# KiCad board r1_panel.kicad_pcb (continued)
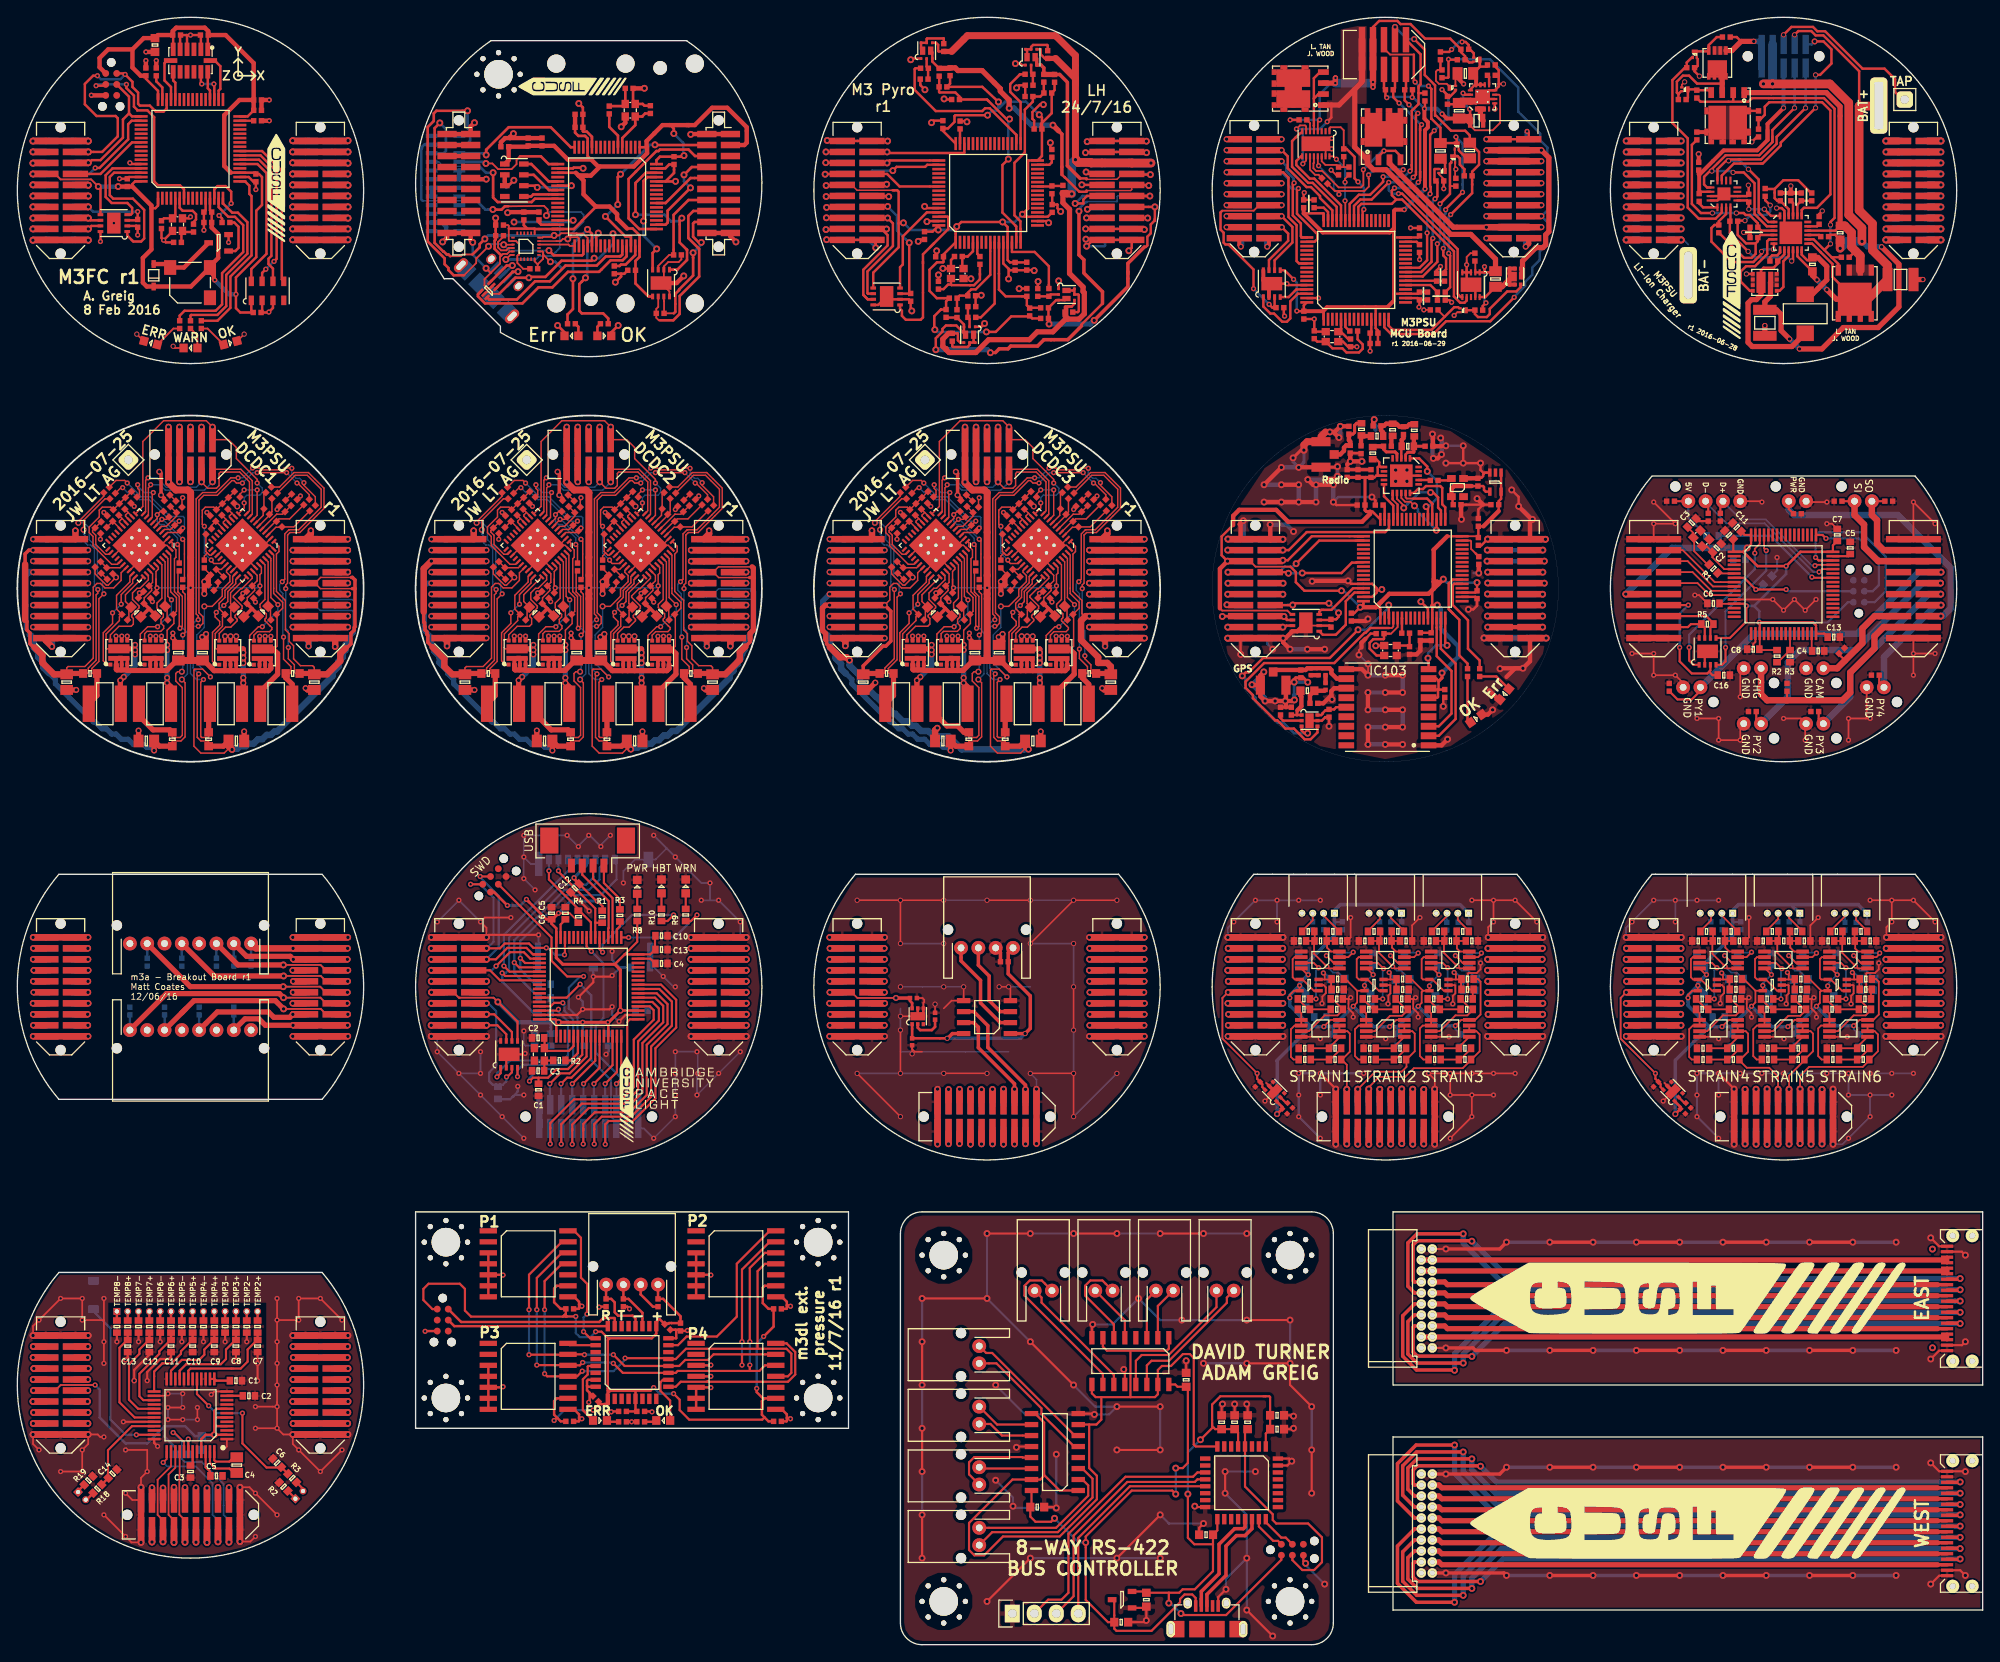
[diagram p0: board, top side]
## Footprints (pads in the part's own frame, mm; a bottom-side part is the same pattern mirrored in y, then rotated) (continued)
PowerPAK-SO-8
  rect 3.81x3.91 smd: D(0.69,0)
  rect 1.27x0.61 smd: D(2.67,1.905) D(2.67,0.635) D(2.67,-0.635) D(2.67,-1.905) G(-2.67,-1.905) S(-2.67,1.905) S(-2.67,0.635) S(-2.67,-0.635)
QFN-16-EP-NXP
  rect 0.9x0.24 smd: 1(-1.55,0.75) 2(-1.55,0.25) 3(-1.55,-0.25) 4(-1.55,-0.75) 9(1.55,-0.75) 10(1.55,-0.25) 11(1.55,0.25) 12(1.55,0.75)
  rect 0.24x0.9 smd: 5(-0.75,-1.55) 6(-0.25,-1.55) 7(0.25,-1.55) 8(0.75,-1.55) 13(0.75,1.55) 14(0.25,1.55) 15(-0.25,1.55) 16(-0.75,1.55)
  rect 0.3x0.3 smd: EP(-0.305,0.305) EP(-0.305,-0.305) EP(0.305,0.305) EP(0.305,-0.305)
  rect 1.5x1.5 smd: EP(0,0)
QFN-16-EP-TI
  rect 0.6x0.25 smd: 1(-1.4,0.75) 2(-1.4,0.25) 3(-1.4,-0.25) 4(-1.4,-0.75) 9(1.4,-0.75) 10(1.4,-0.25) 11(1.4,0.25) 12(1.4,0.75)
  rect 0.25x0.6 smd: 5(-0.75,-1.4) 6(-0.25,-1.4) 7(0.25,-1.4) 8(0.75,-1.4) 13(0.75,1.4) 14(0.25,1.4) 15(-0.25,1.4) 16(-0.75,1.4)
  round 0.3 hole 0.2: EP(-0.6,0.6) EP(-0.6,-0.6) EP(0.6,0.6) EP(0.6,-0.6)
  rect 1.5x1.5 smd: EP(0,0)
  rect 1.7x1.7 smd: EP(0,0)
QFN-20-EP-SI
  rect 0.75x0.3 smd: 1(-2,1) 2(-2,0.5) 3(-2,0) 4(-2,-0.5) 5(-2,-1) 11(2,-1) 12(2,-0.5) 13(2,0) 14(2,0.5) 15(2,1)
  rect 0.3x0.75 smd: 6(-1,-2) 7(-0.5,-2) 8(0,-2) 9(0.5,-2) 10(1,-2) 16(1,2) 17(0.5,2) 18(0,2) 19(-0.5,2) 20(-1,2)
  rect 1.1x1.1 smd: EP(-0.65,0.65) EP(-0.65,-0.65) EP(0.65,0.65) EP(0.65,-0.65)
  rect 2.6x2.6 smd: EP(0,0)
QFN-24-EP-MAX
  rect 0.8x0.3 smd: 1(-1.955,1.25) 2(-1.955,0.75) 3(-1.955,0.25) 4(-1.955,-0.25) 5(-1.955,-0.75) 6(-1.955,-1.25) 13(1.955,-1.25) 14(1.955,-0.75) 15(1.955,-0.25) 16(1.955,0.25) 17(1.955,0.75) 18(1.955,1.25)
  rect 0.3x0.8 smd: 7(-1.25,-1.955) 8(-0.75,-1.955) 9(-0.25,-1.955) 10(0.25,-1.955) 11(0.75,-1.955) 12(1.25,-1.955) 19(1.25,1.955) 20(0.75,1.955) 21(0.25,1.955) 22(-0.25,1.955) 23(-0.75,1.955) 24(-1.25,1.955)
  rect 0.9x0.9 smd: EP(-0.65,0.65) EP(-0.65,0.65) EP(-0.65,-0.65) EP(-0.65,-0.65) EP(0.65,0.65) EP(0.65,0.65) EP(0.65,-0.65) EP(0.65,-0.65)
  rect 2.6x2.6 smd: EP(0,0)
QFN-24-MPU9250
  rect 0.4x0.2 smd: 1(-1.5,1) 2(-1.5,0.6) 3(-1.5,0.2) 4(-1.5,-0.2) 5(-1.5,-0.6) 6(-1.5,-1) 13(1.5,-1) 14(1.5,-0.6) 15(1.5,-0.2) 16(1.5,0.2) 17(1.5,0.6) 18(1.5,1)
  rect 0.2x0.4 smd: 7(-1,-1.5) 8(-0.6,-1.5) 9(-0.2,-1.5) 10(0.2,-1.5) 11(0.6,-1.5) 12(1,-1.5) 19(1,1.5) 20(0.6,1.5) 21(0.2,1.5) 22(-0.2,1.5) 23(-0.6,1.5) 24(-1,1.5)
QFN-40-EP-LTC-UJ
  rect 0.73x0.73 smd: (-1.845,1.845) (-1.845,1.845) (-1.845,0.615) (-1.845,0.615) (-1.845,-0.615) (-1.845,-0.615) (-1.845,-1.845) (-1.845,-1.845) (-0.615,1.845) (-0.615,1.845) (-0.615,0.615) (-0.615,0.615) (-0.615,-0.615) (-0.615,-0.615) (-0.615,-1.845) (-0.615,-1.845) (0.615,1.845) (0.615,1.845) (0.615,0.615) (0.615,0.615) (0.615,-0.615) (0.615,-0.615) (0.615,-1.845) (0.615,-1.845) (1.845,1.845) (1.845,1.845) (1.845,0.615) (1.845,0.615) (1.845,-0.615) (1.845,-0.615) (1.845,-1.845) (1.845,-1.845)
  rect 0.7x0.25 smd: 1(-2.9,2.25) 2(-2.9,1.75) 3(-2.9,1.25) 4(-2.9,0.75) 5(-2.9,0.25) 6(-2.9,-0.25) 7(-2.9,-0.75) 8(-2.9,-1.25) 9(-2.9,-1.75) 10(-2.9,-2.25) 21(2.9,-2.25) 22(2.9,-1.75) 23(2.9,-1.25) 24(2.9,-0.75) 25(2.9,-0.25) 26(2.9,0.25) 27(2.9,0.75) 28(2.9,1.25) 29(2.9,1.75) 30(2.9,2.25)
  rect 0.25x0.7 smd: 11(-2.25,-2.9) 12(-1.75,-2.9) 13(-1.25,-2.9) 14(-0.75,-2.9) 15(-0.25,-2.9) 16(0.25,-2.9) 17(0.75,-2.9) 18(1.25,-2.9) 19(1.75,-2.9) 20(2.25,-2.9) 31(2.25,2.9) 32(1.75,2.9) 33(1.25,2.9) 34(0.75,2.9) 35(0.25,2.9) 36(-0.25,2.9) 37(-0.75,2.9) 38(-1.25,2.9) 39(-1.75,2.9) 40(-2.25,2.9)
  round 0.8 hole 0.4: EP(-1.23,1.23) EP(-1.23,0) EP(-1.23,-1.23) EP(0,1.23) EP(0,0) EP(0,-1.23) EP(1.23,1.23) EP(1.23,0) EP(1.23,-1.23)
  rect 4.42x4.42 smd: EP(0,0)
S02B-PASK-2
  round 1.2 hole 1.2 unplated: (-2.5,2.1) (2.5,2.1)
  round 1.6 hole 0.8: 1(1,0) 2(-1,0)
S04B-PASK-2
  round 1.2 hole 1.2 unplated: (-4.5,2.1) (4.5,2.1)
  round 1.6 hole 0.8: 1(3,0) 2(1,0) 3(-1,0) 4(-3,0)
S08B-PASK-2
  round 1.2 hole 1.2 unplated: (-8.5,2.1) (8.5,2.1)
  round 1.6 hole 0.8: 1(7,0) 2(5,0) 3(3,0) 4(1,0) 5(-1,0) 6(-3,0) 7(-5,0) 8(-7,0)
SC-70-5
  rect 0.95x0.4 smd: 1(-1.1,0.65) 2(-1.1,0) 3(-1.1,-0.65) 4(1.1,-0.65) 5(1.1,0.65)
SFM-110-02-L-DH
  round 1.5 hole 0.71: (-7.239,-0.91) (-7.239,-3.16) (7.239,-0.91) (7.239,-3.16)
  rect 0.38x1.4 smd: 1(-6.032,-3.81) 2(-5.397,-3.81) 3(-4.763,-3.81) 4(-4.128,-3.81) 5(-3.493,-3.81) 6(-2.857,-3.81) 7(-2.223,-3.81) 8(-1.587,-3.81) 9(-0.953,-3.81) 10(-0.318,-3.81) 11(0.318,-3.81) 12(0.953,-3.81) 13(1.587,-3.81) 14(2.223,-3.81) 15(2.857,-3.81) 16(3.493,-3.81) 17(4.128,-3.81) 18(4.763,-3.81) 19(5.397,-3.81) 20(6.032,-3.81)
SFML-105-02-L-D-LC
  round 1.2 hole 1.2 unplated: (-4.13,0) (4.13,0)
  rect 0.74x2.22 smd: 1(-2.54,1.365) 2(-2.54,-1.365) 3(-1.27,1.365) 4(-1.27,-1.365) 5(0,1.365) 6(0,-1.365) 7(1.27,1.365) 8(1.27,-1.365) 9(2.54,1.365) 10(2.54,-1.365)
SFML-110-02-L-D-LC
  round 1.2 hole 1.2 unplated: (-7.305,0) (7.305,0)
  rect 0.74x2.22 smd: 1(-5.715,1.365) 2(-5.715,-1.365) 3(-4.445,1.365) 4(-4.445,-1.365) 5(-3.175,1.365) 6(-3.175,-1.365) 7(-1.905,1.365) 8(-1.905,-1.365) 9(-0.635,1.365) 10(-0.635,-1.365) 11(0.635,1.365) 12(0.635,-1.365) 13(1.905,1.365) 14(1.905,-1.365) 15(3.175,1.365) 16(3.175,-1.365) 17(4.445,1.365) 18(4.445,-1.365) 19(5.715,1.365) 20(5.715,-1.365)
SIL-254P-01
  rrect 1.9x1.9 hole 1: 1(0,0)
SIL-254P-01#2
  rrect 2x6.5 hole 1x5.5: 1(0,0)
SOD-123
  rect 0.91x1.22 smd: 1(-1.635,0) 2(1.635,0)
SOD-323
  rect 0.9x0.5 smd: 1(-1.3,0) 2(1.3,0)
SOIC-8
  rect 1.55x0.6 smd: 1(-2.7,1.905) 2(-2.7,0.635) 3(-2.7,-0.635) 4(-2.7,-1.905) 5(2.7,-1.905) 6(2.7,-0.635) 7(2.7,0.635) 8(2.7,1.905)
SOIC-16
  rect 1.55x0.6 smd: 1(-2.7,4.445) 2(-2.7,3.175) 3(-2.7,1.905) 4(-2.7,0.635) 5(-2.7,-0.635) 6(-2.7,-1.905) 7(-2.7,-3.175) 8(-2.7,-4.445) 9(2.7,-4.445) 10(2.7,-3.175) 11(2.7,-1.905) 12(2.7,-0.635) 13(2.7,0.635) 14(2.7,1.905) 15(2.7,3.175) 16(2.7,4.445)
SON2x2
  rect 0.4x0.455 smd: D(0.65,0.922) G(0.65,-0.922) S(-0.65,0.922) S(-0.65,-0.922) S(0,0.922) S(0,-0.922)
  rect 0.4x0.85 smd: D(0.65,0.096)
  rect 1.05x1.1 smd: S(-0.325,0)
SOT-23
  rect 1x0.6 smd: 1(-1.15,0.95) 2(-1.15,-0.95) 3(1.15,0)
SOT-666
  rect 0.71x0.3 smd: 1(-0.72,0.5) 2(-0.72,0) 3(-0.72,-0.5) 4(0.72,-0.5) 5(0.72,0) 6(0.72,0.5)
SOT-883-B
  rect 0.7x0.4 smd: D(0,0.35)
  rect 0.25x0.4 smd: G(-0.225,-0.35) S(0.225,-0.35)
SP100
  rect 2x0.6 smd: 1(-4.6,3.81) 2(-4.6,2.54) 3(-4.6,1.27) 4(-4.6,0) 5(-4.6,-1.27) 6(-4.6,-2.54) 7(-4.6,-3.81) 8(4.6,-3.81) 9(4.6,-2.54) 10(4.6,-1.27) 11(4.6,0) 12(4.6,1.27) 13(4.6,2.54) 14(4.6,3.81)
SRP5030T
  rect 1.8x2 smd: 1(-2.25,0) 2(2.25,0)
TC2030-NL
  round 1 hole 1 unplated: (-2.54,-0.005) (2.54,1.011) (2.54,-1.021)
  round 0.787 smd: 1(-1.27,-0.64) 2(-1.27,0.63) 3(0,-0.64) 4(0,0.63) 5(1.27,-0.64) 6(1.27,0.63)
TFML-105-02-L-D
  rect 0.74x2.92 smd: 1(-2.54,-1.715) 2(-2.54,1.715) 3(-1.27,-1.715) 4(-1.27,1.715) 5(0,-1.715) 6(0,1.715) 7(1.27,-1.715) 8(1.27,1.715) 9(2.54,-1.715) 10(2.54,1.715)
TFML-110-01-L-D-RA
  round 1.1 hole 0.635: 1(-5.715,2.159) 2(-5.715,3.429) 3(-4.445,2.159) 4(-4.445,3.429) 5(-3.175,2.159) 6(-3.175,3.429) 7(-1.905,2.159) 8(-1.905,3.429) 9(-0.635,2.159) 10(-0.635,3.429) 11(0.635,2.159) 12(0.635,3.429) 13(1.905,2.159) 14(1.905,3.429) 15(3.175,2.159) 16(3.175,3.429) 17(4.445,2.159) 18(4.445,3.429) 19(5.715,2.159) 20(5.715,3.429)
TFML-110-02-L-D
  rect 0.74x2.92 smd: 1(-5.715,-1.715) 2(-5.715,1.715) 3(-4.445,-1.715) 4(-4.445,1.715) 5(-3.175,-1.715) 6(-3.175,1.715) 7(-1.905,-1.715) 8(-1.905,1.715) 9(-0.635,-1.715) 10(-0.635,1.715) 11(0.635,-1.715) 12(0.635,1.715) 13(1.905,-1.715) 14(1.905,1.715) 15(3.175,-1.715) 16(3.175,1.715) 17(4.445,-1.715) 18(4.445,1.715) 19(5.715,-1.715) 20(5.715,1.715)
TG-5006CG
  rect 1x0.8 smd: 1(-0.7,1.05) 2(-0.7,-1.05) 3(0.7,-1.05) 4(0.7,1.05)
TYS5040
  rect 1.4x4.2 smd: 1(-1.85,0) 2(1.85,0)
U.FL-R-SMT-1
  rect 1x1.05 smd: 1(0,-1.525)
  rect 1.05x2.2 smd: 2(-1.475,0) 2(1.475,0)
VLS201610HBX-1
  rect 0.5x1.6 smd: 1(-0.75,0) 2(0.75,0)
XTAL-20x16
  rect 0.85x0.95 smd: 1(-0.575,0.725) 2(-0.575,-0.725) 3(0.575,-0.725) 4(0.575,0.725)

## Nets
1v8: C4#11.1 C8#13.2 U1.4 Y201.4
3v3: C1#15.1 C2.2 C2#16.1 C2#17.1 C3.2 C3#11.2 C3#12.2 C3#15.1 C4.2 C4#8.2 C4#9.2 C4#12.1 C5.2 C5#11.2 C5#12.2 C5#15.1 C6#3.1 C6#7.1 C6#11.2 C6#12.2 C6#14.1 C6#15.1 C7.2 C7#2.2 C7#6.1 C7#10.2 C7#11.2 C7#13.2 C7#14.1 C7#16.1 C8.2 C8#2.2 C8#6.1 C8#10.2 C8#11.2 C8#14.1 C8#16.1 C9.2 C9#2.2 C9#9.2 C9#10.2 C9#12.1 C9#14.1 C10#2.2 C10#3.1 C10#12.1 C11#2.2 C11#6.1 C12.2 C12#2.1 C12#6.1 C13.1 C13#2.2 C13#3.1 C13#7.1 C13#11.2 C14.1 C14#9.2 C14#10.1 C14#11.1 C15#8.1 C15#10.1 C15#11.1 C15#12.1 C16.1 C17.1 C23#4.1 C23#5.1 C24#4.1 C24#5.1 C25#4.1 C25#5.1 C27#4.1 C27#5.1 C28#4.1 C28#5.1 C29#4.1 C29#5.1 C31#4.1 C31#5.1 C32#4.1 C32#5.1 C33.1 C33#2.1 C34.1 C34#2.1 C37.1 C37#2.1 C103.2 C104.2 C105.2 C106.2 C107.2 C108.2 C109.2 C113.1 C201.1 C202.1 D1#9.1 D1#11.2 D2#2.1 D3#8.1 D3#10.2 D3#11.2 D4.1 D4#6.1 D5#2.1 D6#2.2 D6#3.2 D9#2.2 D9#3.2 IC1.1 IC1.13 IC1.19 IC1.32 IC1.48 IC1.64 IC1#2.1 IC1#2.13 IC1#2.19 IC1#2.32 IC1#2.48 IC1#2.64 IC1#3.1 IC1#3.13 IC1#3.19 IC1#3.32 IC1#3.48 IC1#3.64 IC1#4.8 IC1#5.8 IC1#6.2 IC1#6.4 IC1#6.6 IC1#6.8 IC1#6.45 IC1#7.1 IC1#7.13 IC1#7.19 IC1#7.32 IC1#7.48 IC1#7.64 IC1#11.1 IC1#11.13 IC1#11.19 IC1#11.32 IC1#11.48 IC1#11.64 IC1#12.1 IC1#12.13 IC1#12.19 IC1#12.32 IC1#12.48 IC1#12.64 IC1#15.9 IC1#16.1 IC2.1 IC2#2.5 IC2#3.5 IC2#4.5 IC2#5.5 IC2#6.5 IC2#10.5 IC2#11.7 IC2#11.14 IC2#12.14 IC2#13.9 IC2#14.1 IC2#14.8 IC3.5 IC3#2.8 IC3#3.8 IC3#4.1 IC3#5.5 IC3#6.9 IC4.1 IC4.6 IC4#2.5 IC4#3.5 IC4#4.1 IC4#4.8 IC4#4.13 IC4#6.9 IC5.8 IC5#2.8 IC5#4.1 IC5#4.5 IC5#4.17 IC6.8 IC6#2.8 IC7.5 IC7#2.5 IC8.8 IC8#2.8 IC9.8 IC9#2.8 IC10.1 IC10#2.1 IC101.1 IC101.13 IC101.19 IC101.32 IC101.48 IC101.64 IC102.5 IC103.6 IC103.7 IC103.8 IC201.6 IC201.8 J1.7 J1#2.11 J1#6.11 J1#7.11 J1#15.1 J2#7.3 J2#11.7 J3#2.5 J3#3.5 J3#4.5 J3#5.5 J3#7.11 J3#11.11 J4#7.1 J6#8.5 J6#9.5 J6#10.5 J6#11.5 J7.1 J7#2.1 J8.1 J8#2.1 J9.9 J9#2.1 J9#3.1 J10.9 J101.5 J102.5 L1#4.2 L201.1 LS1.1 P1.1 P1#2.1 P1#3.1 P1#5.1 R1#2.2 R1#16.1 R2#3.1 R2#7.2 R3#3.1 R4#2.2 R4#3.1 R5#3.2 R5#4.2 R5#13.2 R6#10.2 R7.1 R7#2.2 R7#3.2 R7#5.1 R7#10.2 R8#5.1 R8#9.1 R8#10.1 R10#7.1 R21.2 R21#2.2 U1.1 U1.5 U1#2.4
5v: J4#5.9 U1#3.10 U1#3.11 U1#3.12
+3V3: C3#16.1 C4#13.1 C6#16.1 C7#15.1 C8#15.1 C10#13.1 IC1#17.1 IC1#17.5 IC1#17.17 IC2#15.2 P1#4.1
+5V: C1#12.1 C2#13.1 C9#13.1 IC2#15.3 IC3#7.16 IC4#7.16 J1#17.1
/3v3_AUX1: C15#7.1 IC1#10.27 J1.13 J1#2.13 J1#3.13 J1#4.13 J1#5.13 J1#6.13 J1#7.13 J1#8.13 J1#9.13 J1#10.13 J1#11.13 J1#12.13 J1#13.13 J1#16.13 J2#7.13 J2#8.13 J2#11.13 J2#12.13 J2#13.13 J2#14.13 J2#15.13 J2#16.13 J3#7.13 J3#8.13 J3#9.13 J3#10.13 J3#11.13 J3#12.13 J9.13 J10.13 J101.13 J102.13 R11#7.2 R13#7.2
/3v3_AUX2: J1.15 J1#2.15 J1#3.15 J1#4.15 J1#5.15 J1#6.15 J1#7.15 J1#8.15 J1#9.15 J1#10.15 J1#11.15 J1#12.15 J1#16.15 J2#7.15 J2#11.15 J2#12.15 J2#13.15 J2#14.15 J2#15.15 J2#16.15 J3#7.15 J3#8.15 J3#9.15 J3#10.15 J3#11.15 J3#12.15 J9.15 J10.15 J101.15 J102.15
/3v3_DL: C1#16.1 C16#8.1 C35.1 C35#2.1 IC1#16.6 IC2#9.1 IC10.6 IC10#2.6 J1.11 J1#3.11 J1#4.11 J1#5.11 J1#8.11 J1#9.11 J1#10.11 J1#11.11 J1#12.11 J1#13.11 J1#16.11 J2#7.11 J2#8.11 J2#11.11 J2#12.11 J2#13.11 J2#14.11 J2#15.11 J2#16.11 J3#8.11 J3#9.11 J3#10.11 J3#12.11 J9.11 J10.11 J101.11 J102.11 R14#7.1 R16#7.1
/3v3_FC: C16#6.1 IC2#7.1 J1#2.7 J1#3.7 J1#4.7 J1#5.7 J1#6.7 J1#7.7 J1#8.7 J1#9.7 J1#10.7 J1#11.7 J1#12.7 J1#13.7 J1#16.7 J2#7.7 J2#8.7 J2#12.7 J2#13.7 J2#14.7 J2#15.7 J2#16.7 J3#7.7 J3#8.7 J3#9.7 J3#10.7 J3#11.7 J3#12.7 J9.7 J10.7 J101.7 J102.7 R14#6.1 R16#5.1
/3v3_IMU: C30.1 IC2#7.27 J1.3 J1#2.3 J1#3.3 J1#4.3 J1#5.3 J1#6.3 J1#7.3 J1#8.3 J1#9.3 J1#10.3 J1#11.3 J1#12.3 J1#13.3 J1#16.3 J2#8.3 J2#11.3 J2#12.3 J2#13.3 J2#14.3 J2#15.3 J2#16.3 J3#7.3 J3#8.3 J3#9.3 J3#10.3 J3#11.3 J3#12.3 J9.3 J10.3 J101.3 J102.3 R24#3.2 R26#3.2
/3v3_PYRO: C16#7.1 IC2#8.1 J1.9 J1#2.9 J1#3.9 J1#4.9 J1#5.9 J1#6.9 J1#7.9 J1#8.9 J1#9.9 J1#10.9 J1#11.9 J1#12.9 J1#13.9 J1#16.9 J2#7.9 J2#8.9 J2#11.9 J2#12.9 J2#13.9 J2#14.9 J2#15.9 J2#16.9 J3#7.9 J3#8.9 J3#9.9 J3#10.9 J3#11.9 J3#12.9 J101.9 J102.9 R14#5.1 R16#6.1
/3v3_RADIO: C30#2.1 IC2#8.27 J1.5 J1#2.5 J1#3.5 J1#4.5 J1#5.5 J1#6.5 J1#7.5 J1#8.5 J1#9.5 J1#10.5 J1#11.5 J1#12.5 J1#13.5 J1#16.5 J2#7.5 J2#8.5 J2#11.5 J2#12.5 J2#13.5 J2#14.5 J2#15.5 J2#16.5 J3#7.5 J3#8.5 J3#9.5 J3#10.5 J3#11.5 J3#12.5 J9.5 J10.5 R24#4.2 R26#4.2
/5v_AUX1: C15#6.1 IC1#9.27 J1#14.11 J2.11 J2#2.11 J2#3.11 J2#4.11 J2#5.11 J2#6.11 J2#9.11 J2#10.11 J3.11 J4.11 J4#2.11 J4#3.11 J4#4.11 J4#5.11 J4#6.11 J4#8.11 J4#9.11 J4#10.11 J4#11.11 J4#12.11 J4#13.11 J5#6.11 J5#7.11 J5#8.11 J5#9.11 J5#10.11 J5#11.11 J11.11 J12.11 J103.11 J104.11 R11#5.2 R13#5.2
/5v_AUX2: C15#5.1 IC1#8.27 J1#14.13 J2.13 J2#2.13 J2#3.13 J2#4.13 J2#5.13 J2#6.13 J2#9.13 J2#10.13 J3.13 J4.13 J4#2.13 J4#3.13 J4#4.13 J4#5.13 J4#6.13 J4#8.13 J4#9.13 J4#10.13 J4#11.13 J4#12.13 J4#13.13 J5#6.13 J5#7.13 J5#8.13 J5#9.13 J5#10.13 J5#11.13 J11.13 J12.13 J103.13 J104.13 R11#6.2 R13#6.2
/5v_CAM: C1#9.1 D6#4.1 D9.1 IC1#10.1 J1#14.15 J2.15 J2#2.15 J2#3.15 J2#4.15 J2#5.15 J2#6.15 J2#9.15 J2#10.15 J3.15 J4.15 J4#2.15 J4#3.15 J4#4.15 J4#5.15 J4#6.15 J4#8.15 J4#9.15 J4#10.15 J4#11.15 J4#12.15 J4#13.15 J5#6.15 J5#7.15 J5#8.15 J5#9.15 J5#10.15 J5#11.15 J6#2.5 J11.15 J12.15 J12#2.1 J103.15 J104.15 R1#9.1 R3#10.1
/5v_CAN: C12#10.1 C15.1 C16#2.1 C16#5.1 C16#10.1 C16#11.1 C30#3.1 C112.1 IC2#2.3 IC2#3.3 IC2#6.3 IC2#9.27 IC2#10.3 IC3.3 IC3#5.3 IC102.3 J1.14 J1#2.14 J1#3.14 J1#4.14 J1#5.14 J1#6.14 J1#7.14 J1#8.14 J1#9.14 J1#10.14 J1#11.14 J1#12.14 J1#13.14 J1#16.14 J2#7.14 J2#8.14 J2#11.14 J2#12.14 J2#13.14 J2#14.14 J2#15.14 J2#16.14 J3#7.14 J3#8.14 J3#9.14 J3#10.14 J3#11.14 J3#12.14 J9.14 J10.14 J101.14 J102.14 R24#5.2 R26#5.2
/5v_IMU: C1#7.1 IC1#8.1 J1#14.9 J2.9 J2#2.9 J2#3.9 J2#4.9 J2#5.9 J2#6.9 J2#9.9 J2#10.9 J3.9 J4.9 J4#2.9 J4#3.9 J4#4.9 J4#6.9 J4#8.9 J4#9.9 J4#10.9 J4#11.9 J4#12.9 J4#13.9 J5#6.9 J5#7.9 J5#8.9 J5#9.9 J5#10.9 J5#11.9 J11.9 J12.9 J103.9 J104.9 R1#7.1 R3#8.1
/5v_RADIO: C1#8.1 IC1#9.1 J1#14.7 J2.7 J2#2.7 J2#3.7 J2#4.7 J2#5.7 J2#6.7 J2#9.7 J2#10.7 J3.7 J4.7 J4#2.7 J4#3.7 J4#4.7 J4#5.7 J4#6.7 J4#8.7 J4#9.7 J4#10.7 J4#11.7 J4#12.7 J4#13.7 J5#6.7 J5#7.7 J5#8.7 J5#9.7 J5#10.7 J5#11.7 J11.7 J12.7 J103.7 J104.7 R1#8.1 R3#9.1
/VBATT: J3#3.3 J3#3.4 J3#4.3 J3#4.4 J3#5.3 J3#5.4 J6#8.3 J6#8.4 J6#9.3 J6#9.4 J6#10.3 J6#10.4
GND: C1.1 C1#2.1 C1#3.2 C1#4.1 C1#5.1 C1#6.1 C1#7.2 C1#8.2 C1#9.2 C1#10.1 C1#11.1 C1#12.2 C1#13.2 C1#14.1 C1#15.2 C1#16.2 C1#17.1 C2.1 C2#2.1 C2#3.2 C2#6.1 C2#7.1 C2#11.2 C2#12.2 C2#13.2 C2#14.2 C2#15.2 C2#16.2 C2#17.2 C3.1 C3#2.1 C3#3.2 C3#4.2 C3#5.2 C3#6.1 C3#7.1 C3#11.1 C3#12.1 C3#13.2 C3#14.1 C3#15.2 C3#16.2 C4.1 C4#2.1 C4#3.2 C4#4.1 C4#5.1 C4#7.1 C4#8.1 C4#9.1 C4#10.1 C4#11.2 C4#12.2 C4#13.2 C4#14.2 C4#15.2 C4#16.2 C5.1 C5#2.1 C5#3.1 C5#6.2 C5#7.1 C5#8.1 C5#9.1 C5#10.1 C5#11.1 C5#12.1 C5#15.2 C5#16.2 C6.2 C6#2.2 C6#3.2 C6#4.2 C6#5.2 C6#6.1 C6#7.2 C6#11.1 C6#12.1 C6#14.2 C6#15.2 C6#16.2 C7.1 C7#2.1 C7#3.2 C7#4.2 C7#5.1 C7#6.2 C7#7.2 C7#8.2 C7#9.2 C7#10.1 C7#11.1 C7#12.2 C7#13.1 C7#14.2 C7#15.2 C7#16.2 C8.1 C8#2.1 C8#3.2 C8#4.2 C8#5.1 C8#6.2 C8#10.1 C8#11.1 C8#12.2 C8#13.1 C8#14.2 C8#15.2 C8#16.2 C9.1 C9#2.1 C9#5.1 C9#6.2 C9#7.2 C9#8.2 C9#9.1 C9#10.1 C9#11.2 C9#12.2 C9#13.2 C9#14.2 C10.2 C10#2.1 C10#3.2 C10#6.1 C10#7.2 C10#8.2 C10#9.2 C10#10.2 C10#11.2 C10#12.2 C10#13.2 C11.2 C11#2.1 C11#3.2 C11#4.2 C11#5.1 C11#6.2 C11#10.2 C11#11.2 C12.1 C12#2.2 C12#3.2 C12#4.2 C12#5.1 C12#6.2 C12#10.2 C12#11.2 C13.2 C13#2.1 C13#3.2 C13#6.1 C13#7.2 C13#8.2 C13#9.2 C13#10.2 C13#11.1 C13#12.2 C14.2 C14#2.2 C14#5.1 C14#6.2 C14#7.2 C14#8.2 C14#9.1 C14#10.2 C14#11.2 C15.2 C15#2.2 C15#3.1 C15#4.1 C15#5.2 C15#6.2 C15#7.2 C15#8.2 C15#9.2 C15#10.2 C15#11.2 C15#12.2 C16.2 C16#2.2 C16#5.2 C16#6.2 C16#7.2 C16#8.2 C16#9.2 C16#10.2 C16#11.2 C17.2 C17#2.2 C17#3.2 C18.2 C18#2.2 C19#3.2 C19#4.2 C19#5.2 C19#6.2 C20.2 C20#2.2 C20#3.1 C20#4.1 C20#5.1 C20#6.2 C22.2 C22#2.2 C22#3.2 C22#4.2 C22#5.2 C23#4.2 C23#5.2 C24.2 C24#2.2 C24#3.2 C24#4.2 C24#5.2 C25.2 C25#2.2 C25#3.2 C25#4.2 C25#5.2 C26#4.2 C26#5.2 C27#4.2 C27#5.2 C28.2 C28#2.2 C28#3.2 C28#4.2 C28#5.2 C29.2 C29#2.2 C29#3.2 C29#4.2 C29#5.2 C30.2 C30#2.2 C30#3.2 C30#4.2 C30#5.2 C31.2 C31#2.2 C31#3.2 C31#4.2 C31#5.2 C32.2 C32#2.2 C32#3.2 C32#4.2 C32#5.2 C33.2 C33#2.2 C34.2 C34#2.2 C35.2 C35#2.2 C37.2 C37#2.2 C101.1 C102.2 C103.1 C104.1 C105.1 C106.1 C107.1 C108.1 C109.1 C110.2 C111.2 C112.2 C113.2 C201.2 C202.2 C203.2 C206.2 C207.2 C208.2 D1.1 D1#5.1 D1#6.2 D1#7.1 D1#8.2 D1#11.1 D1#12.1 D1#13.1 D1#14.1 D1#15.2 D2.1 D2#6.2 D2#7.2 D2#8.1 D2#9.2 D2#11.1 D2#12.1 D2#13.2 D3.1 D3#5.1 D3#6.2 D3#7.1 D3#9.2 D3#10.1 D3#11.1 D3#12.2 D4#5.2 D4#7.2 D4#8.1 D4#9.1 D4#10.2 D5.2 D5#2.2 D5#3.1 D5#4.1 D5#5.2 D6.2 D6#2.1 D6#3.1 D6#4.2 D7.2 D7#2.1 D7#3.1 D7#4.2 D8.2 D8#2.1 D8#3.1 D8#4.2 D9.2 D9#2.1 D9#3.1 D9#4.2 D10.2 D11.2 D12.2 D101.1 D102.1 IC1.12 IC1.18 IC1.60 IC1.63 IC1#2.12 IC1#2.18 IC1#2.60 IC1#2.63 IC1#3.12 IC1#3.18 IC1#3.60 IC1#3.63 IC1#4.5 IC1#5.5 IC1#6.1 IC1#6.3 IC1#6.5 IC1#6.7 IC1#6.9 IC1#6.12 IC1#6.15 IC1#6.16 IC1#6.18 IC1#6.20 IC1#6.22 IC1#6.24 IC1#6.26 IC1#6.28 IC1#6.30 IC1#6.32 IC1#6.36 IC1#6.44 IC1#7.12 IC1#7.18 IC1#7.60 IC1#7.63 IC1#8.2 IC1#8.23 IC1#8.28 IC1#8.34 IC1#8.40 IC1#8.EP IC1#9.2 IC1#9.23 IC1#9.28 IC1#9.34 IC1#9.40 IC1#9.EP IC1#10.2 IC1#10.23 IC1#10.28 IC1#10.34 IC1#10.40 IC1#10.EP IC1#11.12 IC1#11.18 IC1#11.60 IC1#11.63 IC1#12.12 IC1#12.18 IC1#12.60 IC1#12.63 IC1#13.23 IC1#13.EP IC1#14.5 IC1#14.EP IC1#15.3 IC1#15.4 IC1#15.5 IC1#15.6 IC1#15.7 IC1#15.8 IC1#16.4 IC1#16.5 IC1#16.EP IC1#17.16 IC1#17.31 IC1#17.32 IC2.2 IC2.3 IC2#2.2 IC2#2.8 IC2#2.EP IC2#3.2 IC2#3.8 IC2#3.EP IC2#4.2 IC2#5.2 IC2#6.2 IC2#6.8 IC2#6.EP IC2#7.2 IC2#7.23 IC2#7.28 IC2#7.34 IC2#7.40 IC2#7.EP IC2#8.2 IC2#8.23 IC2#8.28 IC2#8.34 IC2#8.40 IC2#8.EP IC2#9.2 IC2#9.23 IC2#9.28 IC2#9.34 IC2#9.40 IC2#9.EP IC2#10.2 IC2#10.8 IC2#10.EP IC2#11.5 IC2#11.6 IC2#11.8 IC2#11.15 IC2#11.16 IC2#11.EP IC2#12.6 IC2#12.15 IC2#12.16 IC2#12.EP IC2#13.3 IC2#13.4 IC2#13.5 IC2#13.6 IC2#13.7 IC2#13.8 IC2#14.4 IC2#14.5 IC2#15.1 IC3.2 IC3.8 IC3.EP IC3#2.5 IC3#3.5 IC3#4.2 IC3#4.3 IC3#5.2 IC3#5.8 IC3#5.EP IC3#6.3 IC3#6.4 IC3#6.5 IC3#6.6 IC3#6.7 IC3#6.8 IC3#7.8 IC3#7.12 IC4.2 IC4.4 IC4.5 IC4#2.2 IC4#3.2 IC4#4.11 IC4#4.18 IC4#4.20 IC4#5.15 IC4#5.EP IC4#6.3 IC4#6.4 IC4#6.5 IC4#6.6 IC4#6.7 IC4#6.8 IC4#7.8 IC4#7.12 IC5.4 IC5#2.4 IC5#3.3 IC5#3.4 IC5#3.5 IC5#3.9 IC5#3.EP IC5#4.16 IC5#4.31 IC5#4.32 IC6.5 IC6#2.5 IC7.2 IC7#2.2 IC8.4 IC8#2.4 IC9.4 IC9#2.4 IC10.4 IC10.5 IC10.EP IC10#2.4 IC10#2.5 IC10#2.EP IC101.12 IC101.18 IC101.60 IC101.63 IC102.2 IC102.8 IC102.EP IC103.1 IC103.10 IC103.12 IC201.18 IC201.EP J1.1 J1.2 J1.19 J1.20 J1#2.1 J1#2.2 J1#2.19 J1#2.20 J1#3.1 J1#3.2 J1#3.19 J1#3.20 J1#4.1 J1#4.2 J1#4.19 J1#4.20 J1#5.1 J1#5.2 J1#5.19 J1#5.20 J1#6.1 J1#6.2 J1#6.19 J1#6.20 J1#7.1 J1#7.2 J1#7.19 J1#7.20 J1#8.1 J1#8.2 J1#8.19 J1#8.20 J1#9.1 J1#9.2 J1#9.19 J1#9.20 J1#10.1 J1#10.2 J1#10.19 J1#10.20 J1#11.1 J1#11.2 J1#11.19 J1#11.20 J1#12.1 J1#12.2 J1#12.19 J1#12.20 J1#13.1 J1#13.2 J1#13.19 J1#13.20 J1#14.1 J1#14.2 J1#14.19 J1#14.20 J1#15.2 J1#16.1 J1#16.2 J1#16.19 J1#16.20 J1#17.5 J1#18.5 J2.1 J2.2 J2.19 J2.20 J2#2.1 J2#2.2 J2#2.19 J2#2.20 J2#3.1 J2#3.2 J2#3.19 J2#3.20 J2#4.1 J2#4.2 J2#4.19 J2#4.20 J2#5.1 J2#5.2 J2#5.19 J2#5.20 J2#6.1 J2#6.2 J2#6.19 J2#6.20 J2#7.1 J2#7.2 J2#7.19 J2#7.20 J2#8.1 J2#8.2 J2#8.19 J2#8.20 J2#9.1 J2#9.2 J2#9.19 J2#9.20 J2#10.1 J2#10.2 J2#10.19 J2#10.20 J2#11.1 J2#11.2 J2#11.19 J2#11.20 J2#12.1 J2#12.2 J2#12.19 J2#12.20 J2#13.1 J2#13.2 J2#13.19 J2#13.20 J2#14.1 J2#14.2 J2#14.19 J2#14.20 J2#15.1 J2#15.2 J2#15.19 J2#15.20 J2#16.1 J2#16.2 J2#16.19 J2#16.20 J3.1 J3.2 J3.19 J3.20 J3#7.1 J3#7.2 J3#7.19 J3#7.20 J3#8.1 J3#8.2 J3#8.19 J3#8.20 J3#9.1 J3#9.2 J3#9.19 J3#9.20 J3#10.1 J3#10.2 J3#10.19 J3#10.20 J3#11.1 J3#11.2 J3#11.19 J3#11.20 J3#12.1 J3#12.2 J3#12.19 J3#12.20 J4.1 J4.2 J4.19 J4.20 J4#2.1 J4#2.2 J4#2.19 J4#2.20 J4#3.1 J4#3.2 J4#3.19 J4#3.20 J4#4.1 J4#4.2 J4#4.19 J4#4.20 J4#5.1 J4#5.2 J4#5.19 J4#5.20 J4#6.1 J4#6.2 J4#6.19 J4#6.20 J4#7.2 J4#8.1 J4#8.2 J4#8.19 J4#8.20 J4#9.1 J4#9.2 J4#9.19 J4#9.20 J4#10.1 J4#10.2 J4#10.19 J4#10.20 J4#11.1 J4#11.2 J4#11.19 J4#11.20 J4#12.1 J4#12.2 J4#12.19 J4#12.20 J4#13.1 J4#13.2 J4#13.19 J4#13.20 J5.1 J5.2 J5.19 J5.20 J5#2.1 J5#2.2 J5#2.19 J5#2.20 J5#3.1 J5#3.2 J5#3.19 J5#3.20 J5#4.4 J5#4.6 J5#4.8 J5#5.2 J5#6.1 J5#6.2 J5#6.19 J5#6.20 J5#7.1 J5#7.2 J5#7.19 J5#7.20 J5#8.1 J5#8.2 J5#8.19 J5#8.20 J5#9.1 J5#9.2 J5#9.19 J5#9.20 J5#10.1 J5#10.2 J5#10.19 J5#10.20 J5#11.1 J5#11.2 J5#11.19 J5#11.20 J6.4 J6#2.2 J6#2.4 J6#2.6 J6#2.8 J6#3.1 J6#3.2 J6#3.19 J6#3.20 J6#4.1 J6#4.2 J6#4.19 J6#4.20 J6#5.1 J6#5.2 J6#5.19 J6#5.20 J6#6.1 J6#6.2 J6#6.19 J6#6.20 J6#7.2 J7.4 J7#2.4 J7#4.1 J7#4.2 J7#4.19 J7#4.20 J7#7.1 J7#7.2 J7#7.19 J7#7.20 J8.4 J8#2.4 J8#3.1 J8#5.2 J9.1 J9.2 J9.19 J9.20 J9#2.4 J9#3.4 J9#5.2 J10.1 J10.2 J10.19 J10.20 J10#2.2 J11.1 J11.2 J11.19 J11.20 J11#2.2 J12.1 J12.2 J12.19 J12.20 J12#2.2 J13.4 J101.1 J101.2 J101.19 J101.20 J102.1 J102.2 J102.19 J102.20 J103.1 J103.2 J103.19 J103.20 J104.1 J104.2 J104.19 J104.20 P1.5 P1#2.5 P1#3.5 P1#4.5 P1#5.5 P5.1 P101.2 P201.2 Q1.2 Q1#2.S1 Q1#3.S2 Q1#4.S2 Q1#5.S2 Q1#6.S Q1#7.S Q2.S1 Q2#2.S2 Q2#3.S2 Q2#4.S2 Q3.S1 Q3#2.S2 Q3#3.S2 Q3#4.S2 Q3#5.S Q3#6.G Q4.S1 Q4#2.S2 Q4#3.S2 Q4#4.S2 Q6#2.S2 Q7.S Q9.S R1#14.2 R1#15.2 R2#12.2 R2#14.1 R2#15.2 R3#6.1 R3#7.1 R3#12.2 R4#7.1 R4#8.1 R4#9.1 R4#12.1 R5#2.2 R5#5.1 R6#2.1 R6#3.1 R6#9.2 R7#4.1 R8#2.1 R8#3.1 R9#2.1 R10#4.2 R10#5.2 R10#6.2 R11#4.1 R12.2 R12#5.2 R12#6.2 R12#7.2 R13.2 R13#4.1 R13#9.2 R14.2 R15#4.1 R17#4.1 R17#5.1 R17#6.1 R17#7.1 R18#5.2 R19#4.1 R20#4.2 R21#6.2 R22.1 R22#2.1 R22#6.2 R23.2 R23#2.2 R23#3.2 R23#4.2 R25#4.2 R25#5.2 R25#6.2 R27#3.2 R32.2 R32#2.2 REF**#5.1 REF**#6.1 REF**#7.1 U1.3 U1#2.6 U1#2.9 U1#2.10 U1#2.11 U1#3.13 U1#3.14 U1#3.15 U1#3.21 Y1.2 Y1.4 Y1#2.2 Y1#2.4 Y1#5.2 Y1#5.4 Y1#6.2 Y1#6.4 Y101.2 Y101.4 Y201.2
VBATT: C9#11.1 C18#6.2 IC4#5.4 J3#2.3 J3#2.4 J6#11.3 J6#11.4 Q2#5.S Q5.S1 Q6#2.D1 R1#11.1 R5#7.1 R15#9.2 R17#8.2
VCC: C7#7.1 C7#8.1 C7#9.1 C20#6.1 C22.1 C22#2.1 C22#3.1 C31.1 C31#2.1 C31#3.1 C32.1 C32#2.1 C32#3.1 IC1#8.35 IC1#9.35 IC1#10.35 IC2#7.35 IC2#8.35 IC2#9.35 IC4#5.7 IC4#5.10 IC5#3.1 IC5#3.2 J3#2.1 J3#2.2 J3#3.1 J3#3.2 J3#4.1 J3#4.2 J3#5.1 J3#5.2 J6#8.1 J6#8.2 J6#9.1 J6#9.2 J6#10.1 J6#10.2 J6#11.1 J6#11.2 Q1#3.D1 Q1#4.D1 Q1#5.D1 Q2#2.D1 Q2#3.D1 Q2#4.D1 Q2#6.S Q3#2.D1 Q3#3.D1 Q3#4.D1 Q4#2.D1 Q4#3.D1 Q4#4.D1 Q4#5.S2 Q5.S2 R9#8.1 R15#8.1 R16#8.1
/ACCEL_CS: IC1.45 IC4.7
/ACCEL_INT: IC1.44 IC4.8
/ACCEL_SCLK: IC1.34 IC4.14
/ACCEL_SDI: IC1.36 IC4.13
/ACCEL_SDO: IC1.35 IC4.12
/ADIS_IRQ: IC1#11.25 U1#3.7
/ANT_~{EN}: IC1#14.4 IC101.4
/ANT_~{FLAG}: IC1#14.3 IC101.3
/BARO_CS: IC1.24 IC1#11.24 IC2.5 IC3#4.5
/BARO_SCLK: IC1.21 IC1#11.21 IC2.8 IC3#4.8
/BARO_SDI: IC1.23 IC1#11.23 IC2.7 IC3#4.7
/BARO_SDO: IC1.22 IC1#11.22 IC2.6 IC3#4.6
/BATT1: J3#2.6 J3#3.6 J3#4.6 J3#5.6 J3#6.1 J6#8.6 J6#9.6 J6#10.6 J6#11.6 Q6.D R14#8.1 R19#8.1
/BATT1_MONITOR: IC1#12.22 R19#8.2 R20#4.1
/BATT2: C7#12.1 IC1#13.11 IC1#13.13 J3#2.8 J3#3.8 J3#4.8 J3#5.8 J6#8.8 J6#9.8 J6#10.8 J6#11.8 J7#3.1 Q5#2.D R12#8.1 R13#8.1 R14#9.2 R17#9.1
/BATT2_MONITOR: IC1#12.21 R17#9.2 R18#5.1
/BEEPER: IC1.14 R1.1
/BLEED_BATT1: IC1#12.24 Q7.G R22#6.1
/BLEED_BATT2: IC1#12.23 Q3#5.G R21#6.1
/CAN+: IC2#2.7 IC2#3.7 IC2#6.7 IC2#10.7 IC3.7 IC3#5.7 IC102.7 J1.18 J1#2.18 J1#3.18 J1#4.18 J1#5.18 J1#6.18 J1#7.18 J1#8.18 J1#9.18 J1#10.18 J1#11.18 J1#12.18 J1#13.18 J1#16.18 J2#7.18 J2#8.18 J2#11.18 J2#12.18 J2#13.18 J2#14.18 J2#15.18 J2#16.18 J3#7.18 J3#8.18 J3#9.18 J3#10.18 J3#11.18 J3#12.18 J9.18 J10.18 J101.18 J102.18 R5#6.2 R5#12.1
/CAN-: IC2#2.6 IC2#3.6 IC2#6.6 IC2#10.6 IC3.6 IC3#5.6 IC102.6 J1.16 J1#2.16 J1#3.16 J1#4.16 J1#5.16 J1#6.16 J1#7.16 J1#8.16 J1#9.16 J1#10.16 J1#11.16 J1#12.16 J1#13.16 J1#16.16 J2#7.16 J2#8.16 J2#11.16 J2#12.16 J2#13.16 J2#14.16 J2#15.16 J2#16.16 J3#7.16 J3#8.16 J3#9.16 J3#10.16 J3#11.16 J3#12.16 J9.16 J10.16 J101.16 J102.16 R5#6.1 R5#12.2
/CAN_RXD: IC1.61 IC1#2.61 IC1#3.61 IC1#7.61 IC1#11.61 IC1#12.61 IC2#2.4 IC2#3.4 IC2#6.4 IC2#10.4 IC3.4 IC3#5.4 IC101.61 IC102.4
/CAN_TXD: IC1.62 IC1#2.62 IC1#3.62 IC1#7.62 IC1#11.62 IC1#12.62 IC2#2.1 IC2#3.1 IC2#6.1 IC2#10.1 IC3.1 IC3#5.1 IC101.62 IC102.1
/CH1+: C6#6.2 IC1#6.17 R2#6.1
/CH2+: C9#5.2 IC1#6.19 R8#4.1
/CH3+: C11#5.2 IC1#6.21 R12#4.1
/CH4+: C13#6.2 IC1#6.23 R16#4.1
/CH5+: C7#5.2 IC1#6.25 R4#6.1
/CH6+: C10#6.2 IC1#6.27 R10#2.1
/CH7+: C12#5.2 IC1#6.29 R14#4.1
/CH8+: C14#5.2 IC1#6.31 R18#4.1
/CH9+: C8#5.2 IC1#6.33 R6#4.1
/CHARGE: D5#5.1 D10.1 J1#14.17 J1#14.18 J2.17 J2.18 J2#2.17 J2#2.18 J2#3.17 J2#3.18 J2#4.17 J2#4.18 J2#5.17 J2#5.18 J2#6.17 J2#6.18 J2#9.17 J2#9.18 J2#10.17 J2#10.18 J3.17 J3.18 J4.17 J4.18 J4#2.17 J4#2.18 J4#3.17 J4#3.18 J4#5.17 J4#5.18 J4#6.17 J4#6.18 J4#8.17 J4#8.18 J4#9.17 J4#9.18 J4#10.17 J4#10.18 J4#11.17 J4#11.18 J4#12.17 J4#12.18 J4#13.17 J4#13.18 J5#6.17 J5#6.18 J5#7.17 J5#7.18 J5#8.17 J5#8.18 J5#10.17 J5#10.18 J5#11.17 J5#11.18 J6#2.7 J11.17 J11.18 J11#2.1 J12.17 J12.18 J103.17 J103.18 J104.17 J104.18
/CHARGER_OL: IC1#13.6 IC2#12.3 R2#13.2
/EN_CHARGER: IC1#13.24 IC2#12.5 R3#12.1
/EN_PYRO: IC1#12.16 Q9.G R23#4.1
/EN_VEXT: IC2#12.2 Q1#7.G R6#9.1
/FIRE1: IC1#2.33 R6.2
/FIRE2: IC1#2.34 R18.2
/FIRE3: IC1#2.10 R19.2
/FIRE4: IC1#2.14 R20.2
/GPS_RESET_N: IC101.16 IC103.9
/GPS_RX: IC101.14 IC103.3